# Altium PCB DM1098FFC.PcbDoc (part 1 of 3)
Units mm, origin at the board's own origin, x right, y up, seen from the top; angles counter-clockwise.
Board outline 60 x 40 mm, 4 copper layers (Top Copper, Signal Layer 1, Layer 1, Bottom Layer), stack 1.602 mm thick; 93 components, 104 nets, 471 pads, 369 vias.
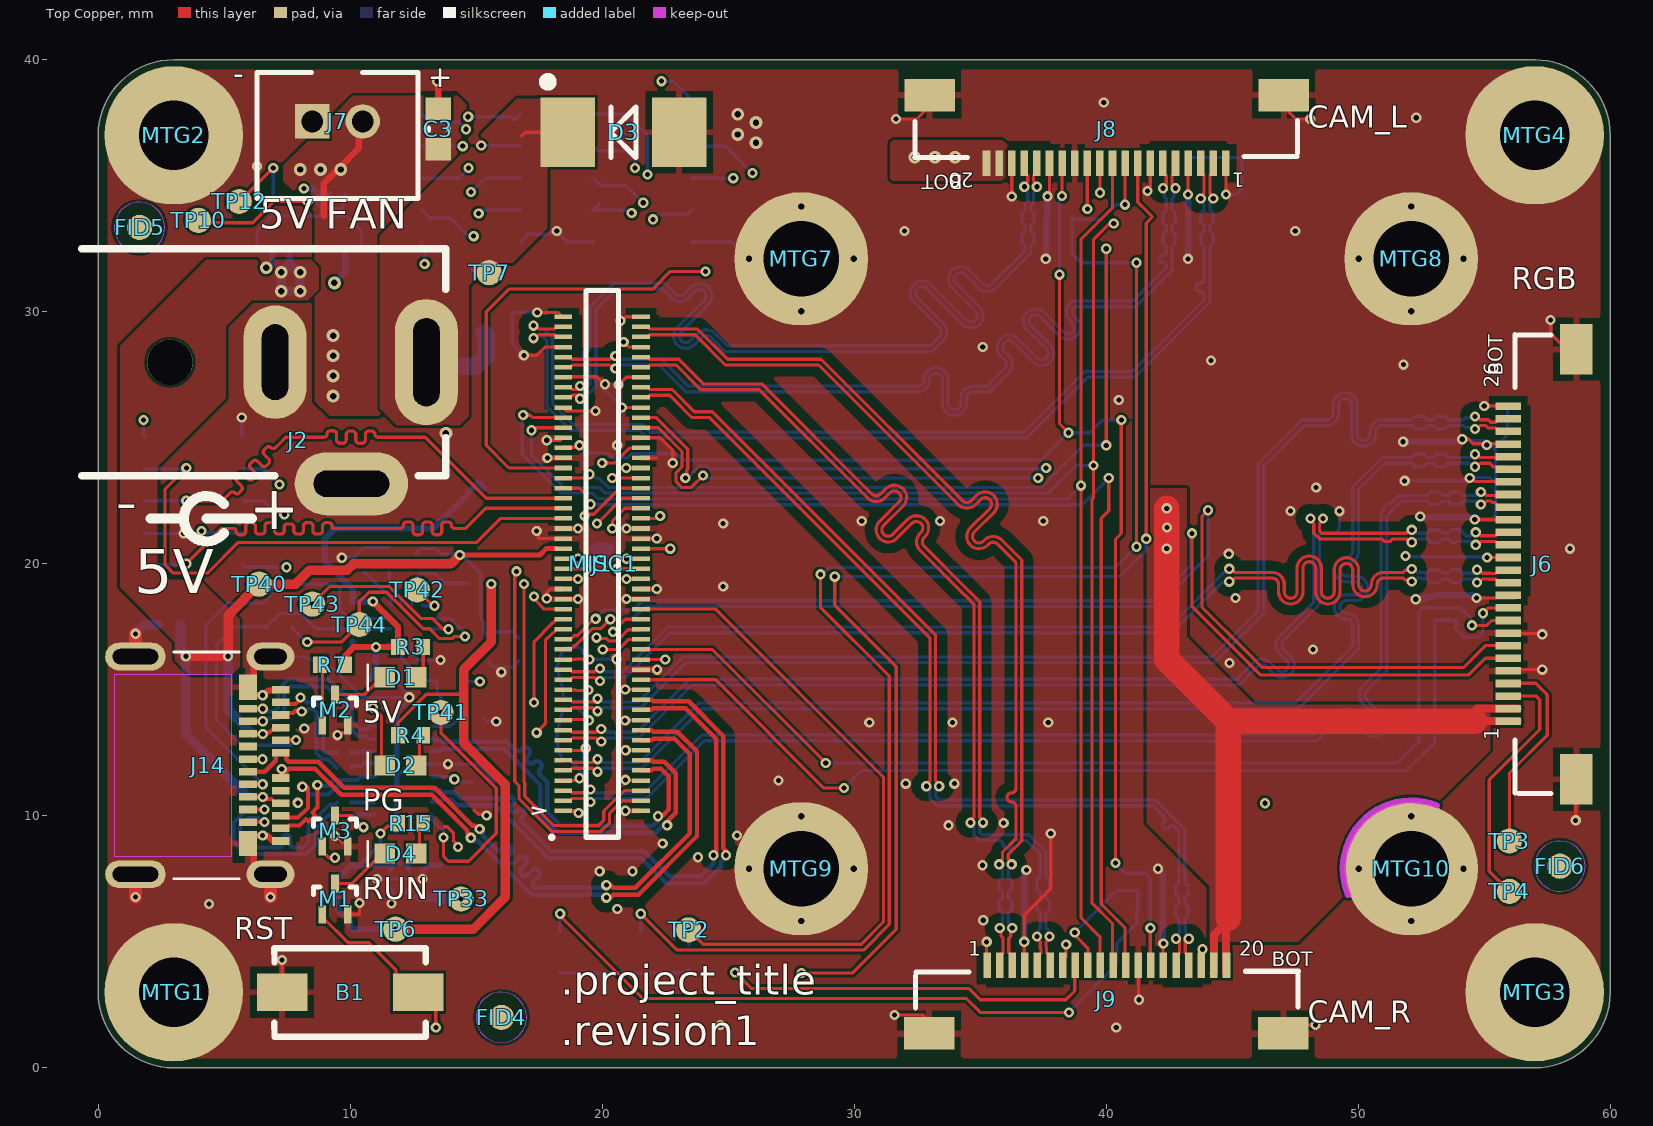
[diagram p0: Top Copper view]
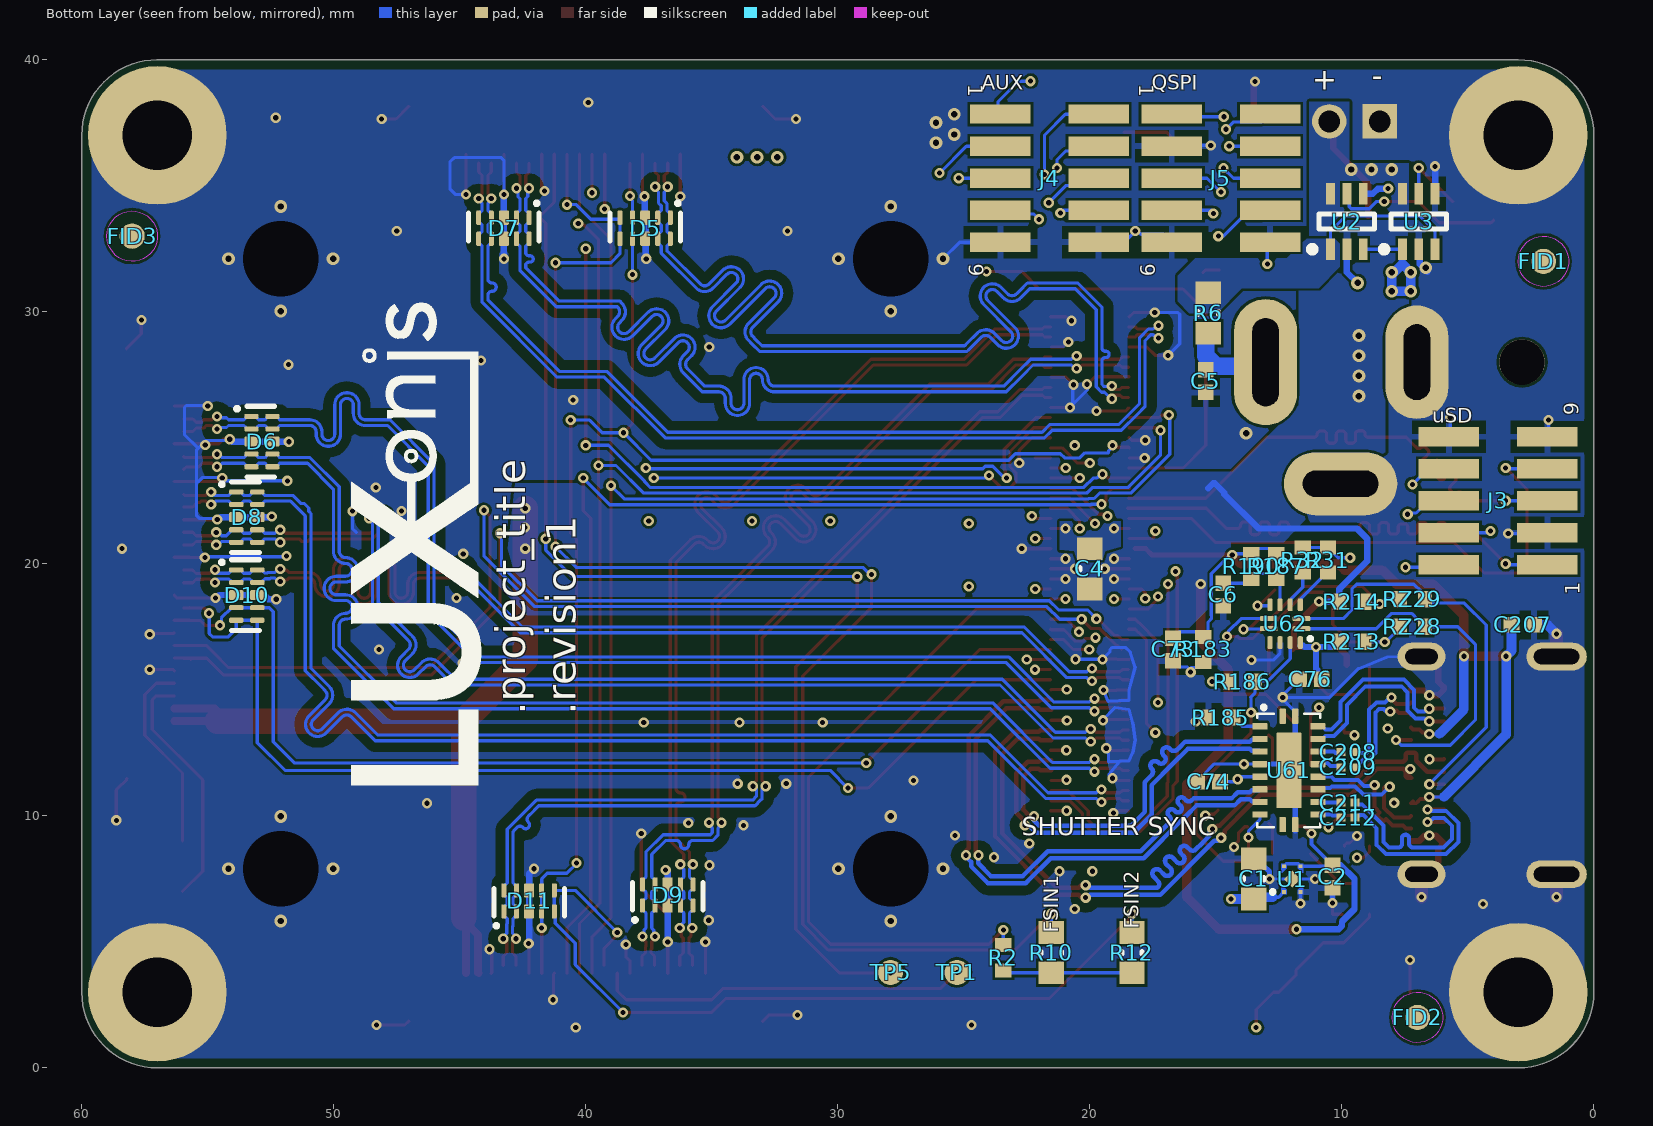
[diagram p1: Bottom Layer view, seen from below]
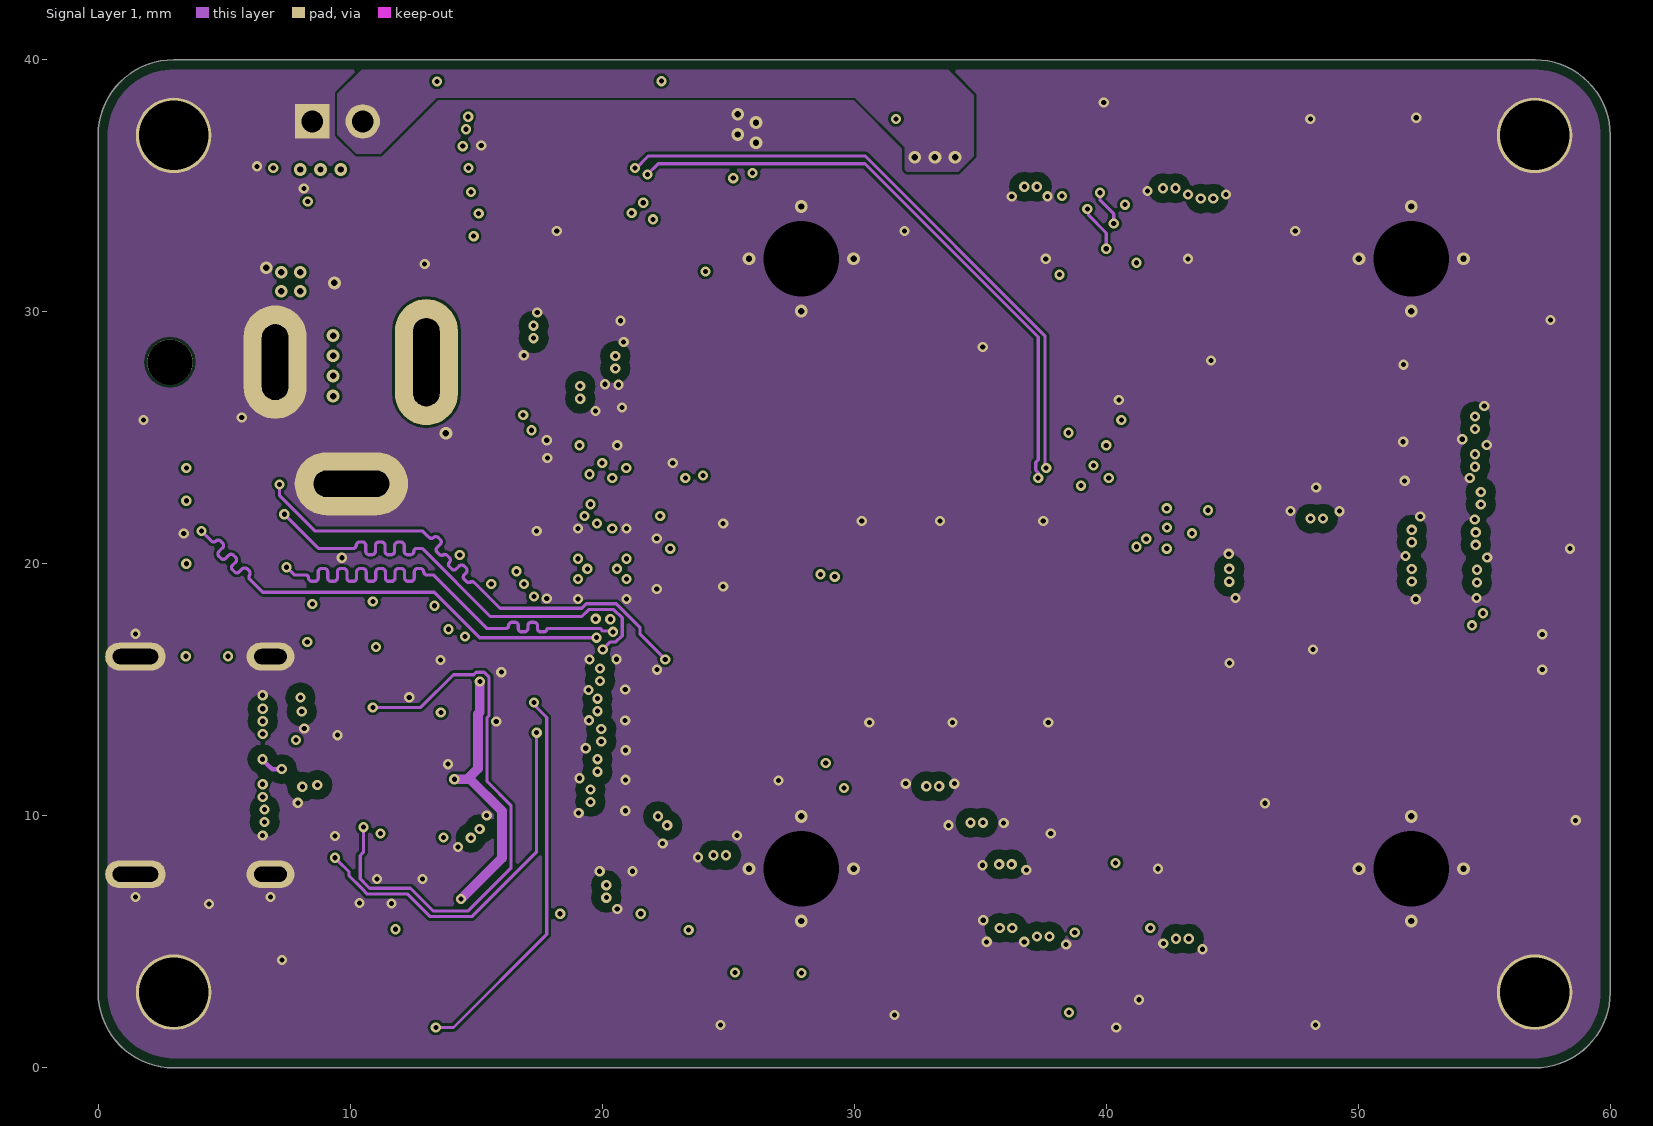
[diagram p2: Signal Layer 1]
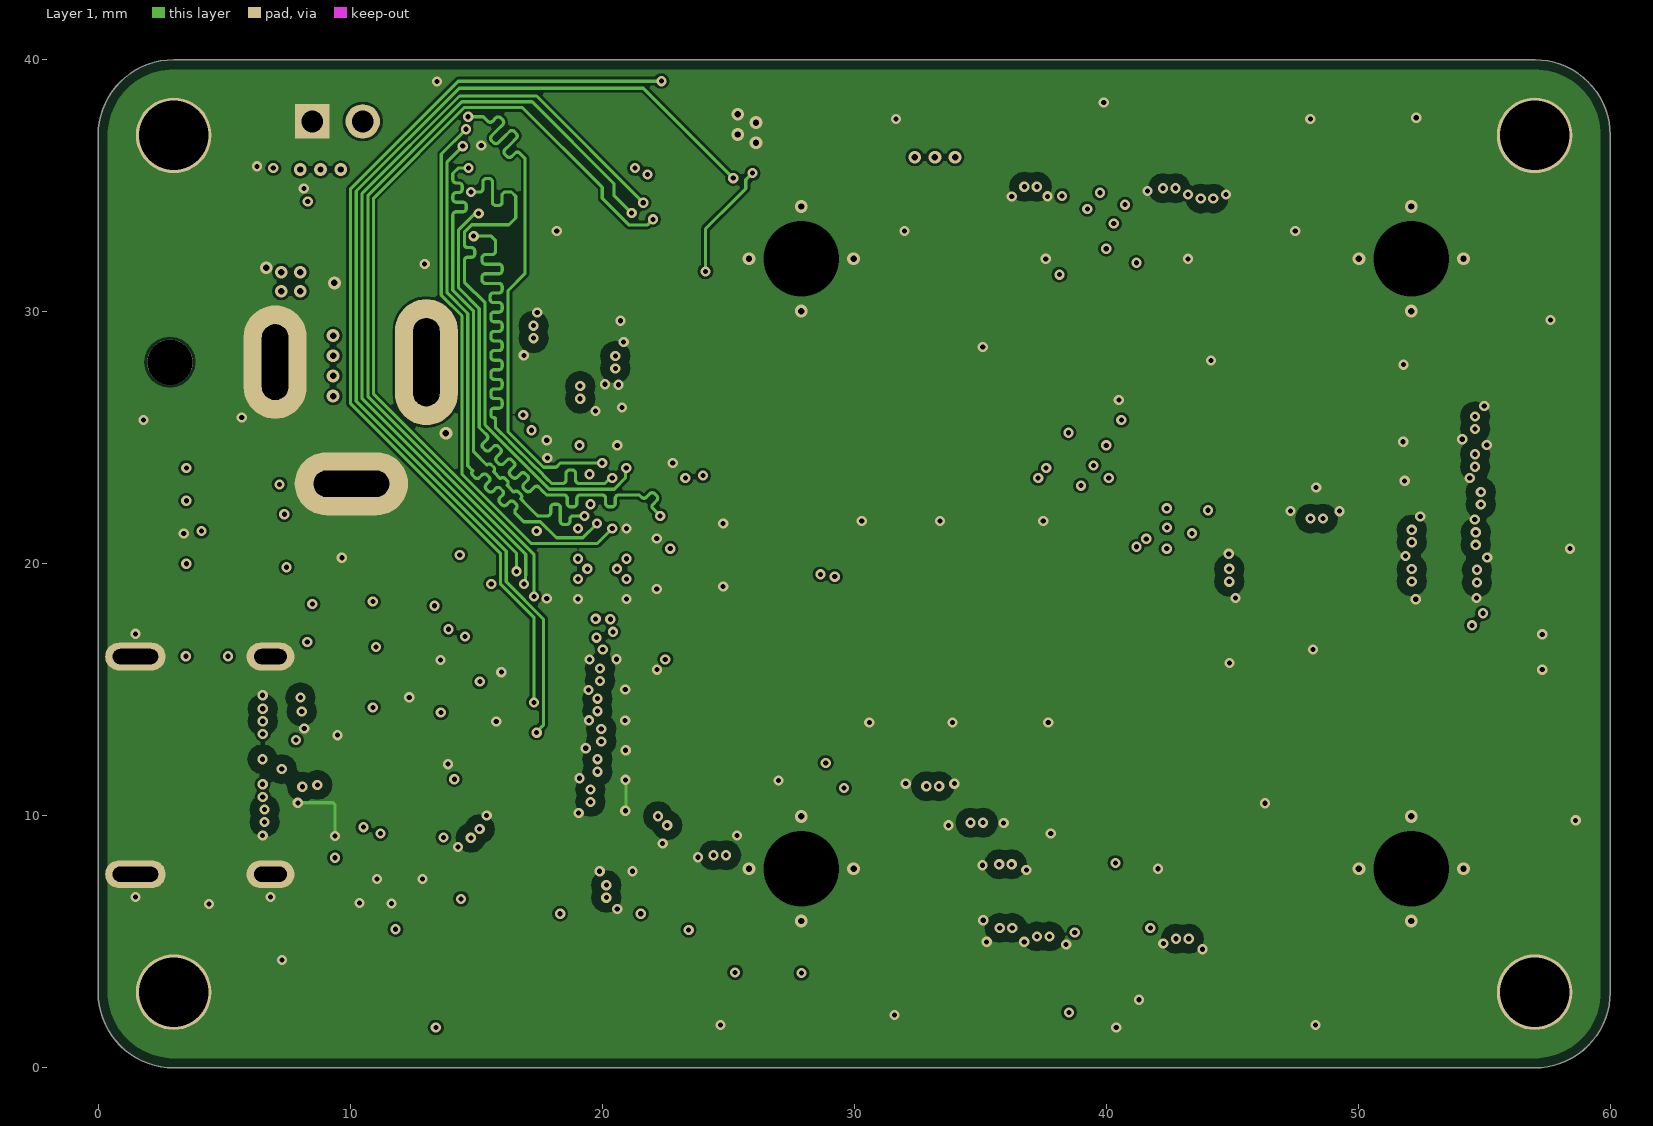
[diagram p3: Layer 1]
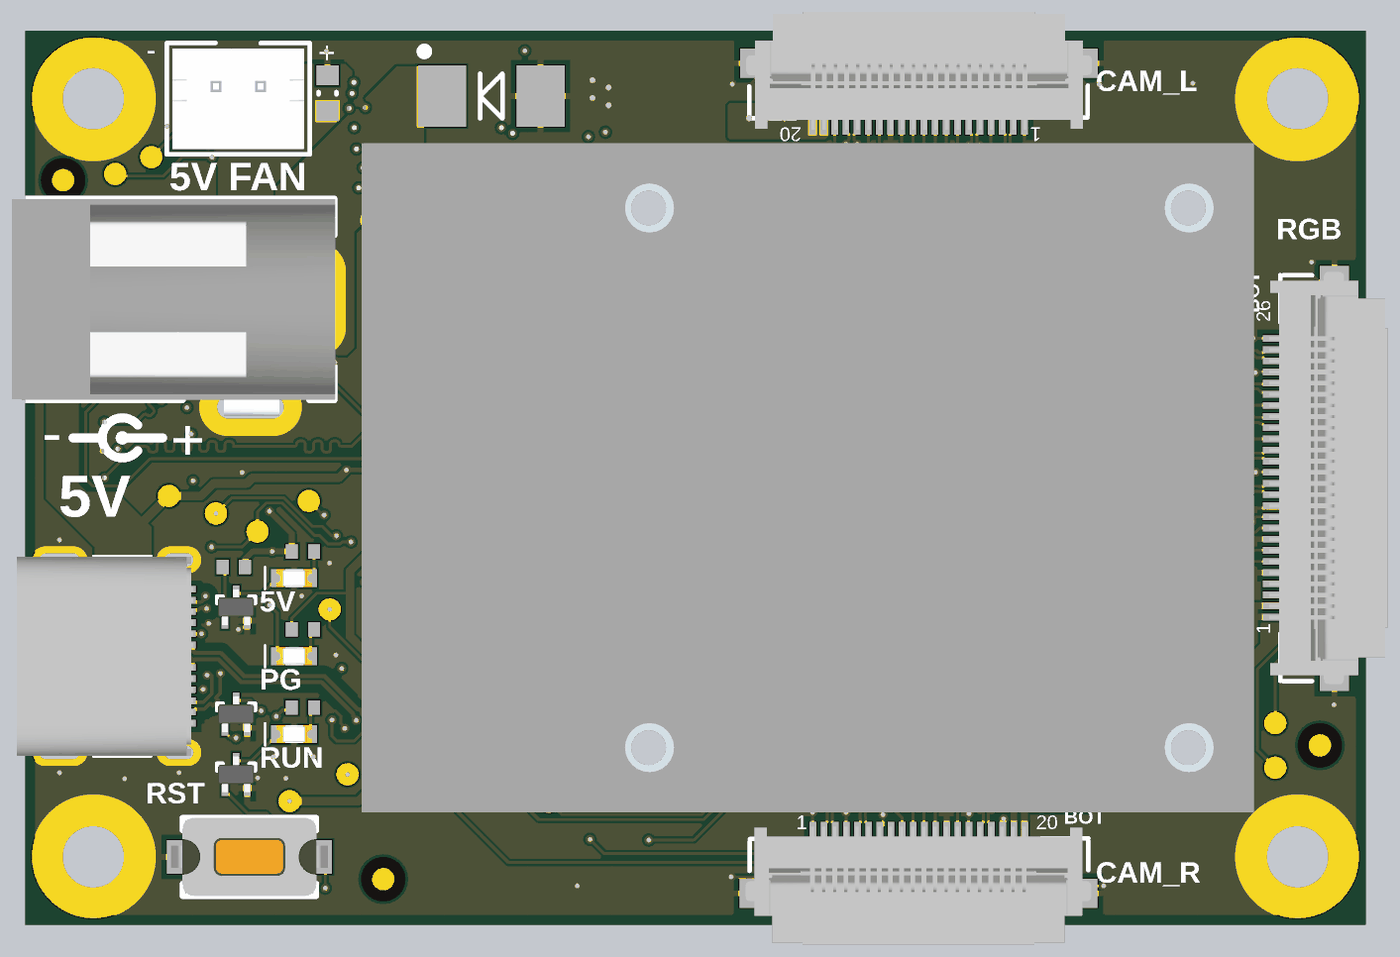
[diagram p6: 3D render of the assembled board from above, using the file's embedded part models]

## Layer stack, top to bottom
Top Mask: solder mask 0.018, Solder Resist, Dk 4.2
Top Copper: signal copper 0.0356
Dielectric 1: prepreg 0.18, PP-021, Dk 4.2
Signal Layer 1: signal copper 0.0356
Core: core 1.1, Core-042, Dk 4.2
Layer 1: signal copper 0.0356
Dielectric 2: prepreg 0.18, PP-021, Dk 4.2
Bottom Layer: signal copper 0.0356
Bottom Solder: solder mask 0.018, Solder Resist, Dk 4.2

## Board outline
0,3 0,37 cw(c3,37) 3,40 57,40 cw(c57,37) 60,37 60,3 cw(c57,3) 57,0 3,0 cw(c3,3)

## Design rules (kind name [scope] priority, off if disabled: settings)
AssemblyTestPointUsage [All] p1: valid=2
BoardOutlineClearance [All] p1: gap=0.381 ignorepadtopadclearanceinfootprint=FALSE
Clearance Diff_Pair_Spacing [(InDifferentialPairClass('All Differential Pairs'))] p1: gap=0.102 ignorepadtopadclearanceinfootprint=FALSE except(0.089: Via-Via; 0.381: Arc-Poly Track-Poly SMDPad-Poly THPad-Poly Via-Poly Fill-Poly Poly-Poly)
Clearance general [All] p2: gap=0.102 ignorepadtopadclearanceinfootprint=FALSE except(0.089: Via-Via)
ComponentClearance [All] p1: gap=0 collisioncheckmode=3 verticalgap=0 showdistances=FALSE
DiffPairsRouting 90ohm_diff_pair [InDifferentialPairClass('90ohm')] p1: maxlimit=0.254 minlimit=0.102 mostfreqgap=0.254 toplayer_maxgap=0.102 toplayer_prefgap=0.102 toplayer_minwidth=0.178 toplayer_maxwidth=0.178 toplayer_prefwidth=0.178 bottomlayer_maxgap=0.102 bottomlayer_prefgap=0.102 bottomlayer_minwidth=0.178 bottomlayer_maxwidth=0.178 bottomlayer_prefwidth=0.178 impedanceprofiledriven=TRUE impedanceprofileid={E8767E0A-F1A8-41FE-9F94-E5935E97141E} impedanceprofilevalue=90.000000 maxuncoupledlength=12.7
DiffPairsRouting 100ohm_Diff_pair [InDifferentialPairClass('100ohm')] p2: maxlimit=0.254 minlimit=0.102 mostfreqgap=0.254 toplayer_maxgap=0.102 toplayer_prefgap=0.102 toplayer_minwidth=0.127 toplayer_maxwidth=0.127 toplayer_prefwidth=0.127 bottomlayer_maxgap=0.102 bottomlayer_prefgap=0.102 bottomlayer_minwidth=0.127 bottomlayer_maxwidth=0.127 bottomlayer_prefwidth=0.127 impedanceprofiledriven=TRUE impedanceprofileid={A9FFC291-69E9-4DAD-BB28-77FB23F50BE8} impedanceprofilevalue=100.000000 maxuncoupledlength=12.7
FabricationTestPointUsage [All] p1: valid=2 allowmultiple=FALSE
HoleSize [All] p1: absolutevalues=TRUE maxlimit=3.81 minlimit=0.025 maxpercent=80.000 minpercent=20.000
HoleToHoleClearance [All] p1: gap=0.254 allowstackedmicrovias=FALSE
MatchedLengths "Schematic Matched Net Lengths_1" [InNetClass('SPI')] p1: tolerance=2.54 checknetsindiffpair=FALSE checkdiffpairvsdiffpair=TRUE checkxsignals=TRUE checkothers=TRUE
MatchedLengths "Schematic Matched Net Lengths" [InNetClass('SDIO')] p2: tolerance=2.54 checknetsindiffpair=FALSE checkdiffpairvsdiffpair=TRUE checkxsignals=TRUE checkothers=TRUE
MatchedLengths MIPI_CAM_A [InNetClass('MIPI_CAM_A')] p3: tolerance=0.127 checknetsindiffpair=FALSE checkdiffpairvsdiffpair=TRUE checkxsignals=TRUE checkothers=TRUE
MatchedLengths MIPI_CAM_B [InNetClass('MIPI_CAM_B')] p4: tolerance=0.127 checknetsindiffpair=FALSE checkdiffpairvsdiffpair=TRUE checkxsignals=TRUE checkothers=TRUE
MatchedLengths MIPI_CAM_C [InNetClass('MIPI_CAM_C')] p5: tolerance=0.127 checknetsindiffpair=FALSE checkdiffpairvsdiffpair=TRUE checkxsignals=TRUE checkothers=TRUE
MatchedLengths DIFF_PAIR [(InDifferentialPairClass('All Differential Pairs'))] p6: tolerance=0.127 checknetsindiffpair=TRUE checkdiffpairvsdiffpair=FALSE checkxsignals=FALSE checkothers=FALSE
MinimumSolderMaskSliver [All] p1: minsoldermaskwidth=0.076
PlaneConnect [All] p1: pad.planeconnectstyle=Relief pad.reliefexpansion=0.508 pad.reliefentries=4 pad.reliefconductorwidth=0.254 pad.reliefairgap=0.254 via.planeconnectstyle=Direct via.reliefexpansion=0.508 via.reliefentries=4 via.reliefconductorwidth=0.254 via.reliefairgap=0.254
PolygonConnect OuterLayerGND_PolyClass [InPolygonClass('OuterGND')] p1: thpad.connectstyle=Direct thpad.reliefconductorwidth=0.254 thpad.reliefentries=4 thpad.polygonreliefangle="90 Angle" thpad.airgapwidth=0.254 smdpad.connectstyle=Relief smdpad.reliefconductorwidth=0.254 smdpad.reliefentries=4 smdpad.polygonreliefangle="90 Angle" smdpad.airgapwidth=0.254 via.connectstyle=Direct via.reliefconductorwidth=0.254 via.reliefentries=4 via.polygonreliefangle="90 Angle" via.airgapwidth=0.254
PolygonConnect GenericPoly [All] p2: connectstyle=Direct reliefconductorwidth=0.254 reliefentries=4 polygonreliefangle="90 Angle" airgapwidth=0.254
RoutingVias RoutingVias_Diff [InDifferentialPairClass('All Differential Pairs')] p1: holewidth=0.711 width=1.27 viastyle="Through Hole" minholewidth=0.711 minwidth=1.27 maxholewidth=0.711 maxwidth=1.27 useviatemplates=TRUE viatemplateguid#1={F4E099BB-6AC1-48E9-91A5-F86A9682FA42} viatemplatename#1=v41h20m0mx0
RoutingVias [All] p2: holewidth=0.203 width=0.406 viastyle="Through Hole" minholewidth=0.203 minwidth=0.406 maxholewidth=25.4 maxwidth=25.4 viatemplateguid#1={F4E099BB-6AC1-48E9-91A5-F86A9682FA42} viatemplatename#1=v41h20m0mx0
SilkToSilkClearance [All] p1: silktosilkclearance=0.127
SilkToSolderMaskClearance SilkscreenOverComponentPads [IsPad] p1: minsilkscreentomaskgap=0 clearancetoexposedcopper=FALSE
SolderMaskExpansion [All] p1: expansion=0.051 istentingtop=FALSE
UnRoutedNet [All] p1: checkbadconnections=TRUE
Width [All] p1: maxlimit=2.54 minlimit=0.127 preferedwidth=0.127
19 further rules are at their usual default settings.

## Classes and differential pairs
net class SPI: SPI_SCK SPI_SIO0 SPI_SIO1 SPI_SIO2 SPI_SIO3 SPI_SS_0 SPI_SS_1
net class SDIO: SD_HST0_CD SD_HST0_CLK SD_HST0_CMD SD_HST0_D0 SD_HST0_D1 SD_HST0_D2 SD_HST0_D3 SD_HST0_D4
differential pair class 90ohm: USB_D USB_RX USB_TX
polygon class OuterGND: L1_GND L4_GND
differential pair class USB3: RXB RXB1 RXC RXC1 TXB TXB1 TXB2 TXC TXC1 TXC2 USB_D USB_D_1 USB_RX USB_TX
differential pair class 100ohm: CAM_L_C CAM_L_D0 CAM_L_D1 CAM_R_C CAM_R_D0 CAM_R_D1 MIPI_C MIPI_D0 MIPI_D1 MIPI_D2 MIPI_D3 MIPI_RX2_C MIPI_RX2_D0 MIPI_RX2_D1 MIPI_RX3_C MIPI_RX3_D0 MIPI_RX3_D1 MIPI_RX4_C MIPI_RX4_D0 MIPI_RX4_D1 MIPI_RX5_D0 MIPI_RX5_D1
net class Power_trace: 5V_IN VBUS VDD_5V
net class MIPI_CAM_C: CAM_R_C_N CAM_R_C_P CAM_R_D0_N CAM_R_D0_P CAM_R_D1_N CAM_R_D1_P
net class MIPI_CAM_B: CAM_L_C_N CAM_L_C_P CAM_L_D0_N CAM_L_D0_P CAM_L_D1_N CAM_L_D1_P
net class MIPI_CAM_A: MIPI_C_N MIPI_C_P MIPI_D0_N MIPI_D0_P MIPI_D1_N MIPI_D1_P MIPI_D2_N MIPI_D2_P MIPI_D3_N MIPI_D3_P
component class U_BW1098FFC_USB: C6 C73 C74 C76 C207 C208 C209 C211 C212 J14 R31 R32 R183 R185 R186 R187 R190 R213 R214 RZ28 RZ29 TP40 TP41 TP42 TP43 TP44 U61 U62
component class U_BW1098FFC_MIPI_CAM: D5 D6 D7 D8 D9 D10 D11 D12 D13 D14 J6 J8 J9 R2 R10 R12 TP1 TP3 TP4 TP5
component class U_BW1098FFC_Connector: B1 J1 J3 J4 J5 MISC1 TP2 TP6
component class DM1098FFC_TopLevel: C1 C2 C3 C4 C5 D1 D2 D3 D4 FID1 FID2 FID3 FID4 FID5 FID6 J2 J7 M1 M2 M3 MTG1 MTG2 MTG3 MTG4 MTG7 MTG8 MTG9 MTG10 R3 R4 R6 R7 R15 TP7 TP10 TP12 TP33 U1 U2 U3
differential pair CAM_R_D1: +CAM_R_D1_P -CAM_R_D1_N
differential pair CAM_R_D0: +CAM_R_D0_P -CAM_R_D0_N
differential pair CAM_R_C: +CAM_R_C_P -CAM_R_C_N
differential pair CAM_L_D1: +CAM_L_D1_P -CAM_L_D1_N
differential pair CAM_L_D0: +CAM_L_D0_P -CAM_L_D0_N
differential pair CAM_L_C: +CAM_L_C_P -CAM_L_C_N
differential pair USB_TX: +USB_TX_P -USB_TX_N
differential pair USB_RX: +USB_RX_P -USB_RX_N
differential pair USB_D: +USB_D_P -USB_D_N
differential pair TXC: +TXC_P -TXC_N
differential pair TXC1: +TXC1_P -TXC1_N
differential pair TXB: +TXB_P -TXB_N
differential pair TXB1: +TXB1_P -TXB1_N
differential pair RXC: +RXC_P -RXC_N
differential pair RXB: +RXB_P -RXB_N
differential pair MIPI_D3: +MIPI_D3_P -MIPI_D3_N
differential pair MIPI_D2: +MIPI_D2_P -MIPI_D2_N
differential pair MIPI_D1: +MIPI_D1_P -MIPI_D1_N
differential pair MIPI_D0: +MIPI_D0_P -MIPI_D0_N
differential pair MIPI_C: +MIPI_C_P -MIPI_C_N

## Components (designator, comment, footprint, x,y, rotation, side; value= is the part's Value field where it differs from the comment)
B1 "Off-Mom, 50mA" DTSM-32N-V 10,3 r0 top
C1 "10uF 0603" CAPC0603(1608)100_N 13.5,7.5 r270 bottom
C2 "1uF 0402" CAPC0402(1005)70_N 10.37,7.59 r90 bottom
C3 "22uF 0603" CAPC0603(1608)100_N 13.5,37.25 r270 top
C4 "22uF 0603" CAPC0603(1608)100_N 20,19.8 r270 bottom
C5 "1uF 0402" CAPC0402(1005)70_N 15.4,27.252 r90 bottom
C6 "1uF 0402" CAPC0402(1005)70_N 14.707,18.778 r90 bottom
C73 "10uF 0402" CAPC0402(1005)70_N 16.7,16.6 r90 bottom
C74 "10uF 0402" CAPC0402(1005)70_N 15.284,11.354 r180 bottom
C76 "10uF 0402" CAPC0402(1005)70_N 11.25,15.425 r180 bottom
C207 "10uF 0402" CAPC0402(1005)70_N 2.819,17.577 r0 bottom
C208 "0.1uF 0201" CAPC0201(0603)33_L 9.75,12.525 r0 bottom
C209 "0.1uF 0201" CAPC0201(0603)33_L 9.75,11.925 r0 bottom
C211 "0.1uF 0201" CAPC0201(0603)33_L 9.75,10.525 r0 bottom
C212 "0.1uF 0201" CAPC0201(0603)33_L 9.75,9.925 r0 bottom
D1 "RED 0603" SML_D1xx8W 12,15.5 r0 top
D2 "ORANGE 0603" SML_D1xx8W 12,12 r0 top
D3 "3W, 5.6V" 1SMB5919BT3G 20.843,37.122 r0 top
D4 "ORANGE 0603" SML_D1xx8W 12,8.5 r0 top
D5 "TPD4E02B04DQAR" TPD4E02B04DQAR 37.645,33.314 r0 bottom
D6 "TPD4E02B04DQAR" TPD4E02B04DQAR 52.85,24.85 r270 bottom
D7 "TPD4E02B04DQAR" TPD4E02B04DQAR 43.25,33.314 r0 bottom
D8 "TPD4E02B04DQAR" TPD4E02B04DQAR 53.45,21.85 r270 bottom
D9 "TPD4E02B04DQAR" TPD4E02B04DQAR 36.75,6.856 r180 bottom
D10 "TPD4E02B04DQAR" TPD4E02B04DQAR 53.45,18.759 r270 bottom
D11 "TPD4E02B04DQAR" TPD4E02B04DQAR 42.25,6.624 r180 bottom
FID1 "FIDUCIAL_ROUND_1MM" FIDUCIAL_ROUND_1MM 2,32 r90 bottom
FID2 "FIDUCIAL_ROUND_1MM" FIDUCIAL_ROUND_1MM 7,2 r90 bottom
FID3 "FIDUCIAL_ROUND_1MM" FIDUCIAL_ROUND_1MM 58,33 r90 bottom
FID4 "FIDUCIAL_ROUND_1MM" FIDUCIAL_ROUND_1MM 16,2 r90 top
FID5 "FIDUCIAL_ROUND_1MM" FIDUCIAL_ROUND_1MM 1.646,33.346 r90 top
FID6 "FIDUCIAL_ROUND_1MM" FIDUCIAL_ROUND_1MM 58,8 r90 top
J1 "DF40HC(3.0)-100DS-0.4V_BW1099G2 Receptacle" DF40HC-3.0-100DS-0.4V_minpad 20,20 r180 top locked
J2 "PJ-050AH or NEB21R" PJ-050AH/NEB21R_COMBO 7,28 r270 top locked
J3 "20021121-00010T1LF" 20021121-00010T1LF 3.8,22.5 r90 bottom
J4 "20021121-00010T1LF" 20021121-00010T1LF 21.6,35.3 r270 bottom
J5 "20021121-00010T1LF" 20021121-00010T1LF 14.8,35.3 r270 bottom
J6 "CONN FFC TOP 26POS 0.50MM R/A" 5052782633 55.95,13.75 r90 top
J7 "B2B-PH-K-S(LF)(SN)" B2B-PH-K-S(LF)(SN) 9.5,37 r180 top
J8 "CONN FFC TOP 20POS 0.50MM R/A" 5052782033 40.021,37.241 r180 top
J9 "CONN FFC TOP 20POS 0.50MM R/A" 5052782033 40,2.72 r0 top
J14 "USB3.1 TYPEC 24P SMD RA" 105450-0101 6.6,12 r270 top locked
M1 "RE1C002UNTCL" RE1C002UNTCL 9.4,6.7 r0 top
M2 "RE1C002UNTCL" RE1C002UNTCL 9.4,14.2 r0 top
M3 "RE1C002UNTCL" RE1C002UNTCL 9.4,9.4 r0 top
MISC1 "Layout guide for BW1099" BW1099_R3_KTHSNF_Footprint 20.04,20 r180 top
MTG1 "MOUNTING_HOLE_M2.5" MOUNTING_HOLE_M2.5 3,3 r0 top locked
MTG2 "MOUNTING_HOLE_M2.5" MOUNTING_HOLE_M2.5 3,37 r0 top locked
MTG3 "MOUNTING_HOLE_M2.5" MOUNTING_HOLE_M2.5 57,3 r0 top locked
MTG4 "MOUNTING_HOLE_M2.5" MOUNTING_HOLE_M2.5 57,37 r0 top locked
MTG7 "M2, 3MM steel spacer on M2.5 mounting pad" 9774030243R 27.9,32.1 r0 top locked
MTG8 "M2, 3MM steel spacer on M2.5 mounting pad" 9774030243R 52.1,32.1 r0 top locked
MTG9 "M2, 3MM steel spacer on M2.5 mounting pad" 9774030243R 27.9,7.9 r0 top locked
MTG10 "M2, 3MM steel spacer on M2.5 mounting pad" 9774030243R 52.1,7.9 r0 top locked
R2 "10K 0402" RESC0402(1005)_N 23.432,4.368 r270 bottom
R3 "1K 0402" RESC0402(1005)_N 12.4,16.7 r180 top
R4 "1K 0402" RESC0402(1005)_N 12.4,13.2 r180 top
R6 "0R 0603" RESC0603(1608)_N 15.3,29.95 r90 bottom
R7 "1K 0402" RESC0402(1005)_N 9.3,16 r0 top
R10 "0R 0603" RESC0603(1608)_N 21.533,4.571 r90 bottom